# Altium PCB MIXR Input and Processing.PcbDoc (part 1 of 3) (continued)
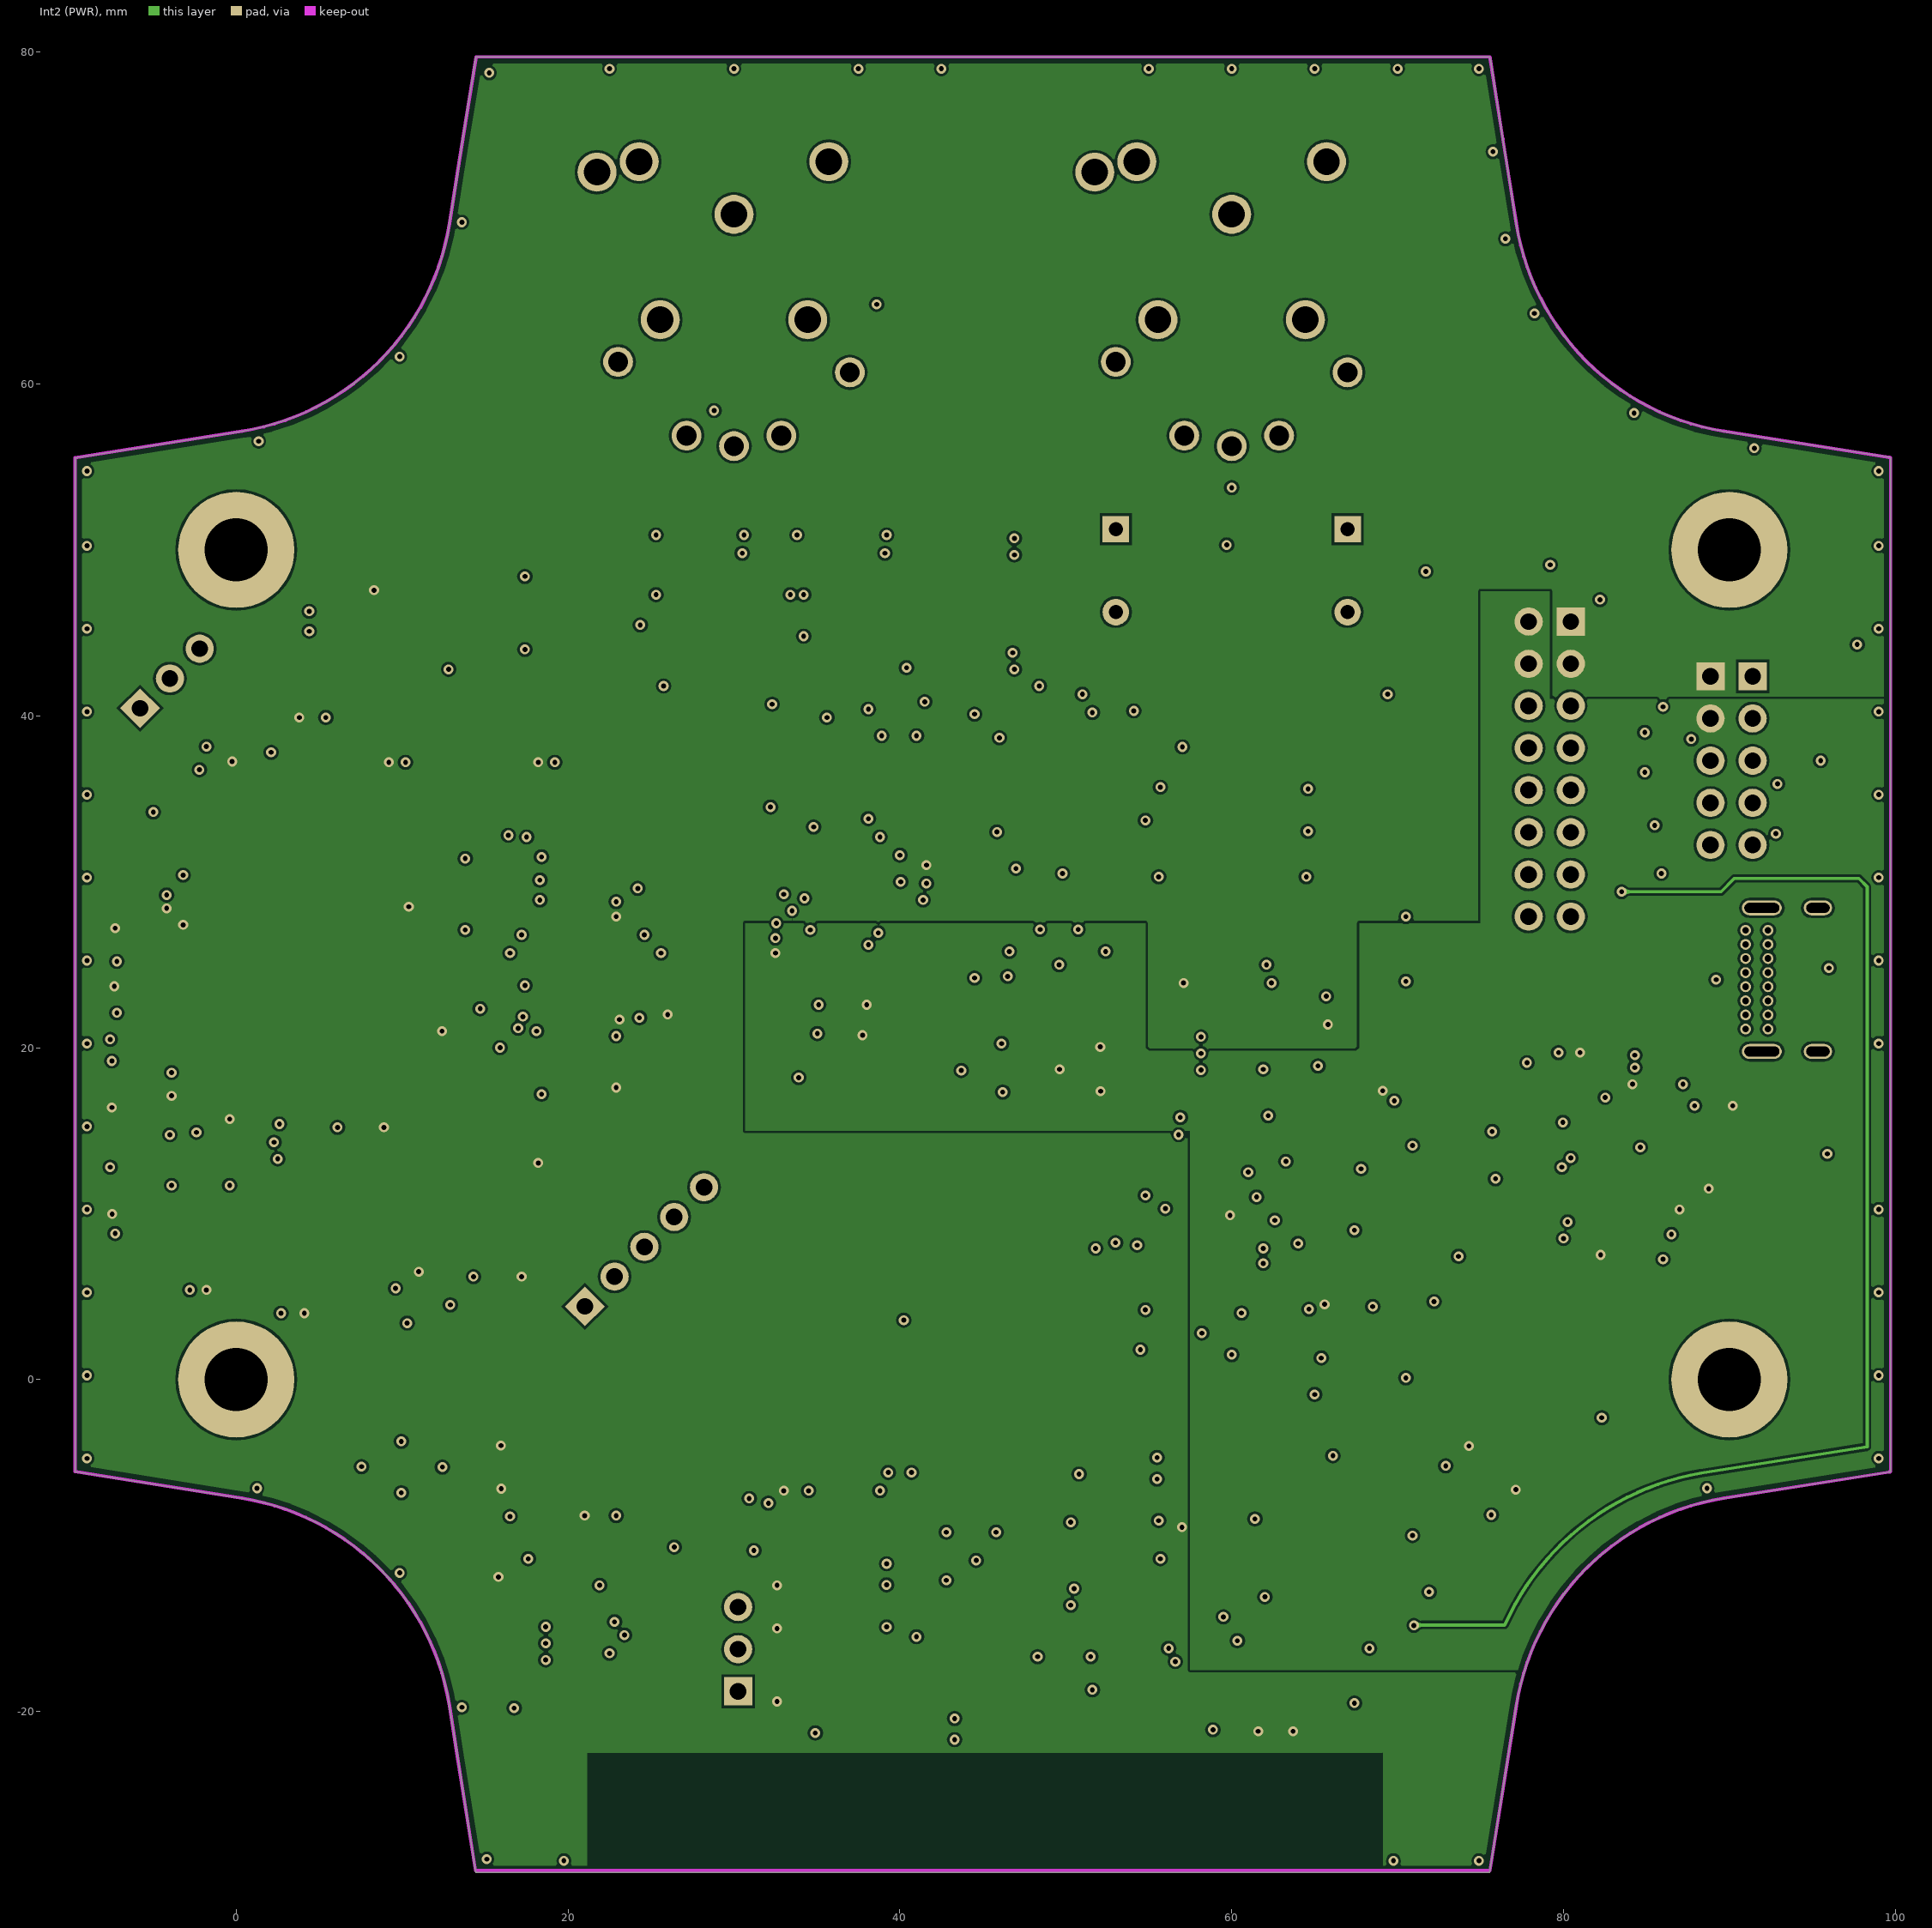
[diagram p3: Int2 (PWR)]
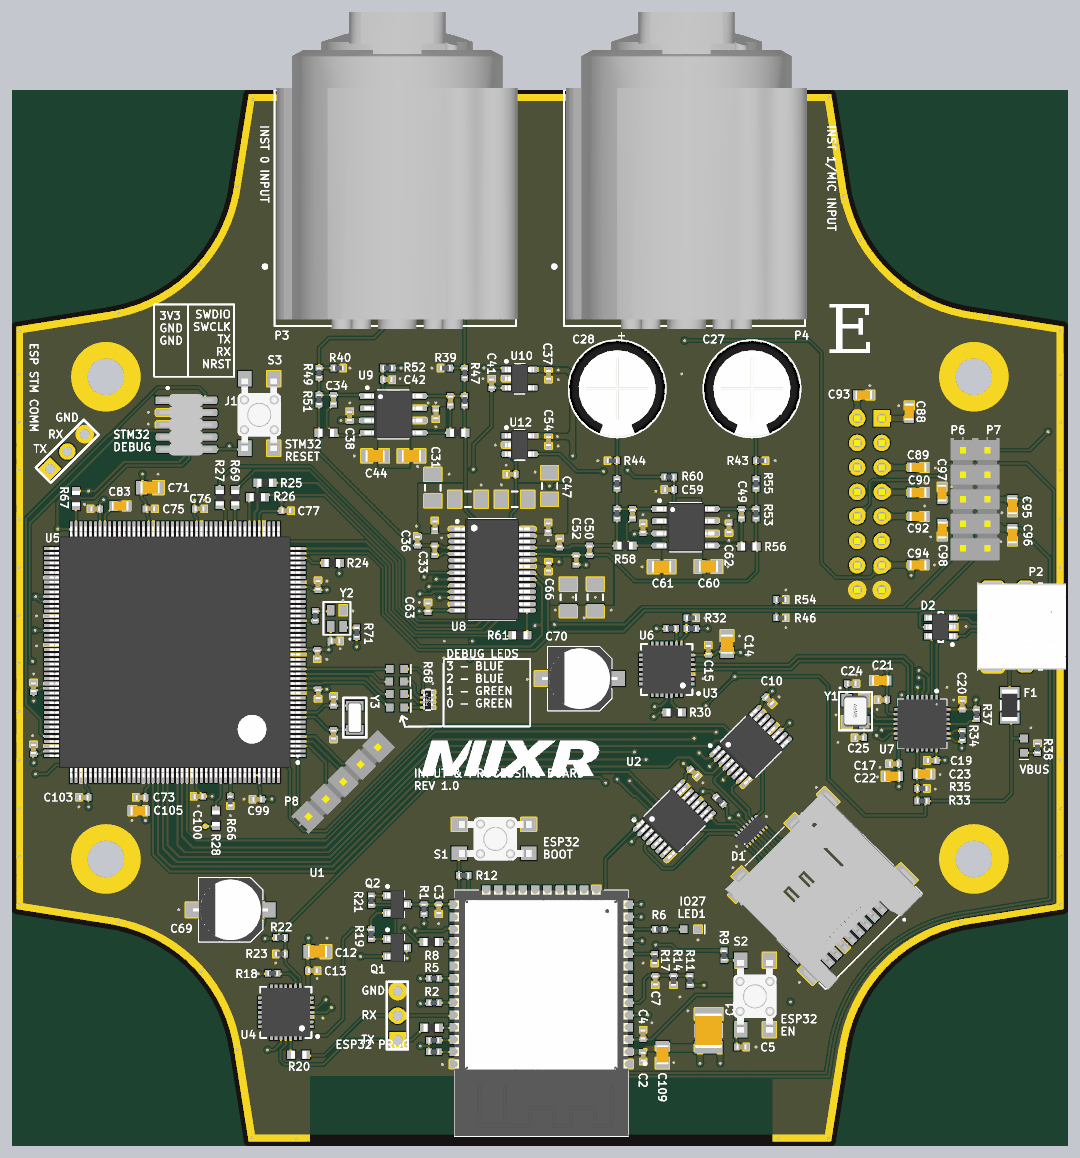
[diagram p6: 3D render of the assembled board from above, using the file's embedded part models]
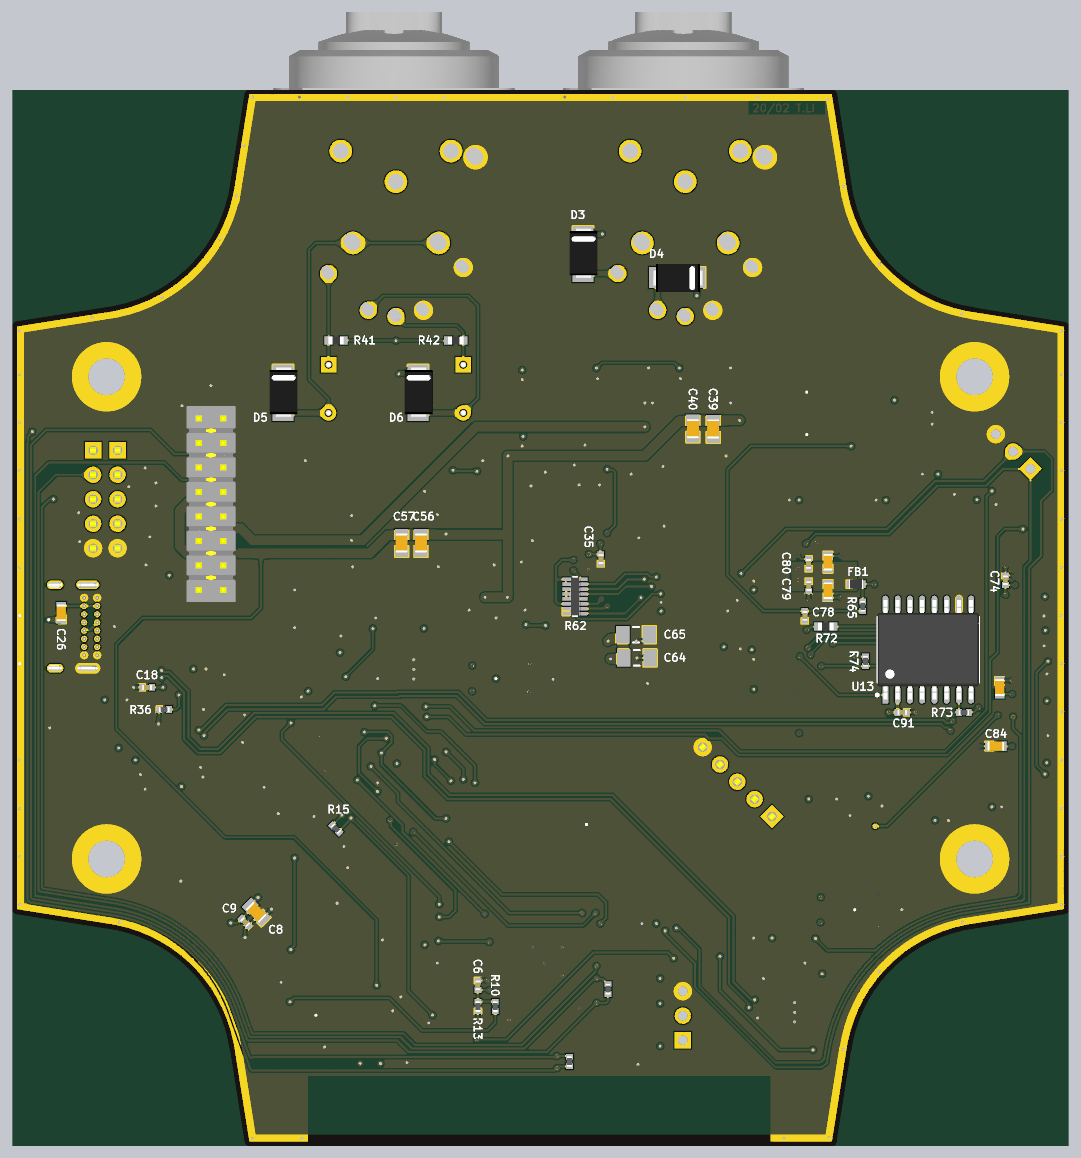
[diagram p7: 3D render of the assembled board from below, using the file's embedded part models]

## Layer stack, top to bottom
Top Solder: solder mask 0.0254, SM-001, Dk 4
Top Layer: signal copper 0.035
Dielectric 1: prepreg 0.26, PP-017, Dk 4.3
Int1 (GND): signal copper 0.035
Dielectric 3: core 0.8, Core-039, Dk 4.8
Int2 (PWR): signal copper 0.035
Dielectric 5: prepreg 0.26, PP-017, Dk 4.3
Bottom Layer: signal copper 0.035
Bottom Solder: solder mask 0.0254, SM-001, Dk 4

## Board outline
333 vertices, not listed, extent -9.713,-29.713 99.713,79.713

## Design rules (kind name [scope] priority, off if disabled: settings)
BoardOutlineClearance [All] p1: gap=0.406 ignorepadtopadclearanceinfootprint=FALSE
Clearance [All] p1: gap=0.152 ignorepadtopadclearanceinfootprint=TRUE except(0: Arc-Hole Track-Hole SMDPad-Hole THPad-Hole Via-Hole Fill-Hole Poly-Hole Region-Hole Text-Hole)
ComponentClearance ComponentClearance_ControllerBoard [InComponent('P1') vs Identifier = 'Controller_Board'] p1: gap=0 collisioncheckmode=3 verticalgap=0 showdistances=FALSE
ComponentClearance ComponentClearance_Standoffs [Identifier = 'Standoff' vs Identifier = 'Controller_Board'] p2: gap=0 collisioncheckmode=3 verticalgap=0 showdistances=FALSE
ComponentClearance [All] p3: gap=0.254 collisioncheckmode=3 verticalgap=0.254 showdistances=FALSE
DiffPairsRouting USB_90R [All] p1: maxlimit=0.4 minlimit=0.25 mostfreqgap=0.3 toplayer_minwidth=0.2 toplayer_maxwidth=0.35 toplayer_prefwidth=0.25 midlayer1_minwidth=0.2 midlayer1_maxwidth=0.35 midlayer1_prefwidth=0.25 midlayer2_minwidth=0.2 midlayer2_maxwidth=0.35 midlayer2_prefwidth=0.25 bottomlayer_minwidth=0.2 bottomlayer_maxwidth=0.35 bottomlayer_prefwidth=0.25 maxuncoupledlength=12.7
Height [All] p1: minheight=0 maxheight=30 prefheight=12.7
HoleSize [All] p1: absolutevalues=TRUE maxlimit=6.3 minlimit=0.3 maxpercent=80.000 minpercent=20.000
MinimumAnnularRing [All] p1: minimumring=0.15
MinimumSolderMaskSliver [All] p1: minsoldermaskwidth=0.3
PlaneConnect 0402 [(ObjectKind = 'Component') And ((Footprint = 'CAP 0402') or (Footprint  = 'RES 0402'))] p1: pad.planeconnectstyle=Relief pad.reliefexpansion=0.5 pad.reliefentries=4 pad.reliefconductorwidth=0.2 pad.reliefairgap=0.2 via.planeconnectstyle=Direct via.reliefexpansion=0.508 via.reliefentries=4 via.reliefconductorwidth=0.254 via.reliefairgap=0.254
PlaneConnect [All] p2: planeconnectstyle=Relief reliefexpansion=0.508 reliefentries=4 reliefconductorwidth=0.254 reliefairgap=0.254
PolygonConnect [All] p1: connectstyle=Direct reliefconductorwidth=0.254 reliefentries=4 polygonreliefangle="90 Angle" airgapwidth=0.254
PolygonConnect PolygonConnect_0402_CAP [HasFootprint('CAP 0402')] p2: connectstyle=Relief reliefconductorwidth=0.2 reliefentries=4 polygonreliefangle="90 Angle" airgapwidth=0.2
PolygonConnect PolygonConnect_0402_RES [HasFootprint('RES 0402')] p3: connectstyle=Relief reliefconductorwidth=0.2 reliefentries=4 polygonreliefangle="90 Angle" airgapwidth=0.2
RoutingVias [All] p1: holewidth=0.3 width=0.6 viastyle="Through Hole" minholewidth=0.3 minwidth=0.6 maxholewidth=0.711 maxwidth=1.27
SilkToSolderMaskClearance [IsPad] p1: minsilkscreentomaskgap=0.178 clearancetoexposedcopper=TRUE
SolderMaskExpansion [All] p1: expansion=0.102 istentingtop=FALSE
Width [All] p1: maxlimit=2.54 minlimit=0.154 preferedwidth=0.2
23 further rules are at their usual default settings.

## Classes and differential pairs
component class "MIXR Processing - QSPI NOR Flash": C91 R73 R74 U13
component class "MIXR Processing - USB Hub": C16 C17 C18 C19 C20 C21 C22 C23 C24 C25 C26 D2 F1 LED2 P2 R33 R34 R35 R36 R37 R38 U7 Y1
component class "MIXR Processing - STM32 USB-UART Converter": C14 C15 R29 R30 R31 R32 U6
component class "MIXR Processing - STM32 DSP Misc": C71 C72 C73 C74 C75 C76 C77 C78 C79 C80 C81 C82 C83 C84 C85 C86 C87 C99 C100 C101 C102 C103 C104 C105 C106 C107 C108 FB1 J1 R65 R66 R70 R71 S3 Y2 Y3
component class "MIXR Processing - STM32 DSP Microcontroller": LED4 LED5 LED6 LED7 P8 R24 R25 R26 R27 R28 R67 R68 R69 R72 U5
component class "MIXR Processing - SD Card": C8 C9 C10 C11 D1 P1 R15 R16 R17 U2 U3
component class "MIXR Processing - ESP32": C1 C2 C3 C4 C5 C6 C7 C109 LED1 P9 P10 R1 R2 R3 R4 R5 R6 R7 R8 R9 R10 R11 R12 R13 R14 R63 R64 S1 S2 U1
component class "MIXR Processing - ESP32 Peripherals": C12 C13 Q1 Q2 R18 R19 R20 R21 R22 R23 U4
component class "MIXR Input - Instrument Inputs": C27 C28 D3 D4 D5 D6 P3 P4 R39 R40 R41 R42 R43 R44
component class "MIXR Input - Instrument 1 Filtering & ADC": C46 C47 C48 C49 C50 C51 C52 C53 C54 C55 C56 C57 C58 C59 C60 C61 C62 R53 R54 R55 R56 R57 R58 R59 R60 U11 U12
component class "MIXR Input - Instrument 0 Filtering & ADC": C29 C30 C31 C32 C33 C34 C35 C36 C37 C38 C39 C40 C41 C42 C43 C44 C45 R45 R46 R47 R48 R49 R50 R51 R52 U9 U10
component class "MIXR Input - Board to Board Connectors": C69 C70 C88 C89 C90 C92 C93 C94 C95 C96 C97 C98 P5 P6 P7
component class "MIXR Input - ADC Power & Communication": C63 C64 C65 C66 C67 C68 R61 R62 U8
differential pair USB_STM32_USB_FS_D: +USB_STM32_USB_FS_D_P -USB_STM32_USB_FS_D_N
differential pair USB_STM32_D: +USB_STM32_D_P -USB_STM32_D_N
differential pair USB_ESP32_D: +USB_ESP32_D_P -USB_ESP32_D_N

## Components (designator, comment, footprint, x,y, rotation, side; value= is the part's Value field where it differs from the comment)
C1 "CAP CER 22UF 16V ±20% X5R 1210" "CAP, 1210" 62.5,-17.8 r90 top
C2 "CAP CER 0.1UF 16V X7R 0402" "CAP 0402" 55.7,-20 r270 top
C3 "CAP CER 0.1UF 16V X7R 0402" "CAP 0402" 34.5,-4.7 r270 top
C4 "CAP CER 0.1UF 16V X7R 0402" "CAP 0402" 55.7,-18.7 r90 top
C5 "CAP CER 0.1UF 16V X7R 0402" "CAP 0402" 65.403,-19.5 r0 top
C6 "CAP CER 0.1UF 16V X7R 0402" "CAP 0402" 51.5,-13.6 r90 bottom
C7 "CAP CER 0.1UF 16V X7R 0402" "CAP 0402" 56.95,-12.1 r270 top
C8 "CAP CER 10uF 25V 10% X5R 0805" "CAP, 0805" 74.481,-5.519 r225 bottom
C9 "CAP CER 0.1UF 16V X7R 0402" "CAP 0402" 76,-6.2 r225 bottom
C10 "CAP CER 0.1UF 16V X7R 0402" "CAP 0402" 68.4,16.8 r315 top
C11 "CAP CER 0.1UF 16V X7R 0402" "CAP 0402" 60.6,9.3 r315 top
C12 "CAP CER 4.7UF 50V 10% X5R 0805" "CAP, 0805" 21.925,-9.6 r0 top value=4.7uF
C13 "CAP CER 0.1UF 16V X7R 0402" "CAP 0402" 20.95,-11.6 r0 top
C14 "CAP CER 4.7UF 50V 10% X5R 0805" "CAP, 0805" 64.4,22.275 r90 top value=4.7uF
C15 "CAP CER 0.1UF 16V X7R 0402" "CAP 0402" 62.468,21.179 r90 top
C16 "CAP CER 0.1UF 16V X7R 0402" "CAP 0402" 81,16.5 r180 top
C17 "CAP CER 0.1UF 16V X7R 0402" "CAP 0402" 82.2,9.874 r180 top
C18 "CAP CER 0.1UF 16V X7R 0402" "CAP 0402" 85.3,17.8 r0 bottom
C19 "CAP CER 0.1UF 16V X7R 0402" "CAP 0402" 86.13,10.21 r180 top
C20 "CAP CER 0.1UF 16V X7R 0402" "CAP 0402" 88.8,15.51 r90 top
C21 "CAP CER 1UF 50V 10% X7R 0603" "CAP, 0603" 80.325,18.5 r180 top
C22 "CAP CER 1UF 50V 10% X7R 0603" "CAP, 0603" 81.525,8.574 r180 top
C23 "CAP CER 1UF 50V 10% X7R 0603" "CAP, 0603" 84.805,8.81 r0 top
C24 "CAP CER 20PF 50V C0G/NPO 0402" "CAP 0402" 76.82,18.18 r0 top
C25 "CAP CER 20PF 50V C0G/NPO 0402" "CAP 0402" 78.62,12.58 r180 top
C26 "CAP CER 10nF 50V 5% X7R 0603" "CAP, 0603" 94.7,25.525 r270 bottom
C27 "CAP ALUM 100UF 20% 100V RADIAL" "CAP ALUM RADIAL 10x20" 66.985,51.25 r270 top
C28 "CAP ALUM 100UF 20% 100V RADIAL" "CAP ALUM RADIAL 10x20" 53.015,51.25 r270 top
C29 "CAP CER 0.1UF 16V X7R 0402" "CAP 0402" 34.1,35.1 r270 top
C30 "CAP CER 10uF 50V 20% X5R 1206" "CAP, 1206" 37.525,37.3 r0 top
C31 "CAP CER 22UF 6.3V ±10% X7R 1206" "CAP, 1206" 33.9,38.5 r90 top
C32 "CAP CER 1nF 50V C0G 0402" "CAP 0402" 35.7,48.025 r270 top
C33 "CAP CER 2700PF 50V X7R 0402" "CAP 0402" 34.1,31.5 r90 top
C34 "CAP CER 1nF 50V C0G 0402" "CAP 0402" 23.6,48.125 r270 top
C35 "CAP CER 100PF 50V C0G/NP0 0402" "CAP 0402" 38.75,31.6 r270 bottom
C36 "CAP CER 100PF 50V C0G/NP0 0402" "CAP 0402" 32.3,32.5 r90 top
C37 "CAP CER 0.1UF 16V X7R 0402" "CAP 0402" 45.9,49.7 r90 top
C38 "CAP CER 0.1UF 16V X7R 0402" "CAP 0402" 25.282,45.425 r90 top
C39 "CAP CER 10uF 25V 10% X5R 0805" "CAP, 0805" 27.1,44.59 r270 bottom
C40 "CAP CER 10uF 25V 10% X5R 0805" "CAP, 0805" 29.2,44.615 r270 bottom
C41 "CAP CER 0.1UF 16V X7R 0402" "CAP 0402" 40,48.8 r90 top
C42 "CAP CER 0.1UF 16V X7R 0402" "CAP 0402" 28.7,49.7 r0 top
C43 "CAP CER 10uF 25V 10% X5R 0805" "CAP, 0805" 31.675,41.8 r180 top
C44 "CAP CER 10uF 25V 10% X5R 0805" "CAP, 0805" 27.918,41.8 r0 top
C45 "CAP CER 0.1UF 16V X7R 0402" "CAP 0402" 34.2,46.6 r270 top
C46 "CAP CER 0.1UF 16V X7R 0402" "CAP 0402" 45.85,34.9 r270 top
C47 "CAP CER 10uF 50V 20% X5R 1206" "CAP, 1206" 46,38.675 r90 top
C48 "CAP CER 22UF 6.3V ±10% X7R 1206" "CAP, 1206" 42.375,37.3 r180 top
C49 "CAP CER 1nF 50V C0G 0402" "CAP 0402" 65.9,36.3 r270 top
C50 "CAP CER 2700PF 50V X7R 0402" "CAP 0402" 50.15,31.5 r90 top
C51 "CAP CER 1nF 50V C0G 0402" "CAP 0402" 54.6,36.3 r270 top
C52 "CAP CER 100PF 50V C0G/NP0 0402" "CAP 0402" 48.75,31.5 r270 top
C53 "CAP CER 100PF 50V C0G/NP0 0402" "CAP 0402" 47.05,32.3 r90 top
C54 "CAP CER 0.1UF 16V X7R 0402" "CAP 0402" 45.9,42.83 r90 top
C55 "CAP CER 0.1UF 16V X7R 0402" "CAP 0402" 55.7,33.8 r90 top
C56 "CAP CER 10uF 25V 10% X5R 0805" "CAP, 0805" 57.4,32.76 r270 bottom
C57 "CAP CER 10uF 25V 10% X5R 0805" "CAP, 0805" 59.4,32.76 r270 bottom
C58 "CAP CER 0.1UF 16V X7R 0402" "CAP 0402" 42.5,39.9 r180 top
C59 "CAP CER 0.1UF 16V X7R 0402" "CAP 0402" 58.9,38.3 r180 top
C60 "CAP CER 10uF 25V 10% X5R 0805" "CAP, 0805" 62.475,30.325 r180 top
C61 "CAP CER 10uF 25V 10% X5R 0805" "CAP, 0805" 57.625,30.3 r0 top
C62 "CAP CER 0.1UF 16V X7R 0402" "CAP 0402" 64.6,34.8 r270 top
C63 "CAP CER 0.1UF 16V X7R 0402" "CAP 0402" 33.4,25.6 r90 top
C64 "CAP CER 10uF 50V 20% X5R 1206" "CAP, 1206" 35.025,20.85 r180 bottom
C65 "CAP CER 22UF 6.3V ±10% X7R 1206" "CAP, 1206" 35.1,23.25 r180 bottom
C66 "CAP CER 0.1UF 16V X7R 0402" "CAP 0402" 45.9,29.8 r90 top
C67 "CAP CER 10uF 50V 20% X5R 1206" "CAP, 1206" 47.95,27.125 r270 top
C68 "CAP CER 22UF 6.3V ±10% X7R 1206" "CAP, 1206" 50.75,27.125 r270 top
C69 "47UF" "CAP ALUM 6.3MM RADIAL SMD" 12.925,-5.275 r180 top
C70 "47UF" "CAP ALUM 6.3MM RADIAL SMD" 49.125,18.7 r180 top
C71 "CAP CER 4.7UF 50V 10% X5R 0805" "CAP, 0805" 4.575,38.5 r0 top value=4.7uF
C72 "CAP CER 0.1UF 16V X7R 0402" "CAP 0402" 21.9,21.7 r270 top
C73 "CAP CER 0.1UF 16V X7R 0402" "CAP 0402" 4.1,6.4 r180 top
C74 "CAP CER 0.1UF 16V X7R 0402" "CAP 0402" -3.2,28.4 r90 bottom
C75 "CAP CER 0.1UF 16V X7R 0402" "CAP 0402" 4.1,36.3 r0 top
C76 "CAP CER 0.1UF 16V X7R 0402" "CAP 0402" 9.2,36.3 r0 top
C77 "CAP CER 0.1UF 16V X7R 0402" "CAP 0402" 18.2,36.1 r0 top
C78 "CAP CER 0.1UF 16V X7R 0402" "CAP 0402" 17.6,25.7 r270 bottom
C79 "CAP CER 1UF 50V 10% X7R 0603" "CAP, 0603" 15.2,30.775 r90 bottom
C80 "CAP CER 0.1UF 16V X7R 0402" "CAP 0402" 17.2,30.1 r90 bottom
C81 "CAP CER 1UF 50V 10% X7R 0603" "CAP, 0603" 15.2,27.825 r270 bottom
C82 "CAP CER 0.1UF 16V X7R 0402" "CAP 0402" 17.2,28.8 r270 bottom
C83 "CAP CER 2.2UF 25V 10% X5R 0603" "CAP, 0603" 1.475,36.6 r0 top
C84 "CAP CER 2.2UF 25V 10% X5R 0603" "CAP, 0603" -2.2,11.7 r0 bottom
C85 "CAP CER 0.1UF 16V X7R 0402" "CAP 0402" 22,17.6 r270 top
C86 "CAP CER 4.3PF 50V C0G/NPO 0402" "CAP 0402" 23.6,15.9 r90 top
C87 "CAP CER 4.3PF 50V C0G/NPO 0402" "CAP 0402" 23.6,13.4 r270 top
C88 "CAP CER 10nF 50V 5% X7R 0603" "CAP, 0603" 83.3,46.355 r90 top
C89 "CAP CER 10nF 50V 5% X7R 0603" "CAP, 0603" 84.205,40.6 r0 top
C90 "CAP CER 10nF 50V 5% X7R 0603" "CAP, 0603" 84.205,38 r0 top
C91 "CAP CER 0.1UF 16V X7R 0402" "CAP 0402" 8,15.2 r180 bottom
C92 "CAP CER 10nF 50V 5% X7R 0603" "CAP, 0603" 84.205,35.52 r0 top
C93 "CAP CER 10nF 50V 5% X7R 0603" "CAP, 0603" 78.575,48.1 r0 top
C94 "CAP CER 10nF 50V 5% X7R 0603" "CAP, 0603" 84.205,30.5 r0 top
C95 "CAP CER 10nF 50V 5% X7R 0603" "CAP, 0603" 94,36.625 r270 top
C96 "CAP CER 10nF 50V 5% X7R 0603" "CAP, 0603" 94,33.6 r270 top
C97 "CAP CER 10nF 50V 5% X7R 0603" "CAP, 0603" 86.7,37.925 r90 top
C98 "CAP CER 10nF 50V 5% X7R 0603" "CAP, 0603" 86.72,34.105 r270 top
C99 "CAP CER 0.1UF 16V X7R 0402" "CAP 0402" 16.2,6.2 r180 top
C100 "CAP CER 0.1UF 16V X7R 0402" "CAP 0402" 10.1,6.5 r180 top
C101 "CAP CER 0.1UF 16V X7R 0402" "CAP 0402" 22,27.9 r90 top
C102 "CAP CER 0.1UF 16V X7R 0402" "CAP 0402" -0.6,36.3 r180 top
C103 "CAP CER 0.1UF 16V X7R 0402" "CAP 0402" -1.8,6.4 r180 top
C104 "CAP CER 0.1UF 16V X7R 0402" "CAP 0402" -7.5,10.9 r90 top
C105 "CAP CER 1UF 50V 10% X7R 0603" "CAP, 0603" 3.425,5 r180 top
C106 "CAP CER 1UF 50V 10% X7R 0603" "CAP, 0603" -2.6,17.775 r90 bottom
C107 "CAP CER 0.1UF 16V X7R 0402" "CAP 0402" -7.5,17.3 r90 top
C108 "CAP CER 0.1UF 16V X7R 0402" "CAP 0402" 23.3,22.6 r0 top
C109 "CAP CER 10uF 25V 10% X5R 0805" "CAP, 0805" 57.7,-20.3 r270 top
D1 "FILTER RLC 40 OHM/12PF/20NH SMD" QFN0P135X330X55_HS-17M 66.916,2.87 r135 top
D2 "DIODE TVS 5.25V 17V SOT23-6" SOT23-6 86.541,24.055 r180 top
D3 "DIODE TVS 12VWM 19.6VC DO-214AA (SMB)" "DO-214AA Diode - BI" 40.6,60.7 r90 bottom
D4 "DIODE TVS 12VWM 19.6VC DO-214AA (SMB)" "DO-214AA Diode - BI" 32.858,60.3 r180 bottom
D5 "DIODE TVS 12VWM 19.6VC DO-214AA (SMB)" "DO-214AA Diode - BI" 71.7,46.3 r90 bottom
D6 "DIODE TVS 12VWM 19.6VC DO-214AA (SMB)" "DO-214AA Diode - BI" 57.7,46.3 r90 bottom
F1 "375 mA" "FUSE LITTLEFUSE 0466 1206" 93.7,15.93 r270 top
FB1 "FB 600 OHM 1LN 0603" "FB 0603" 12.3,28.5 r0 bottom
J1 "CONN 10POS HEADR MALE 0.05\"" "CONN, 10POS 0.05\" Debug Header" 6.4,47.57 r270 top
LED1 "LED BLUE CLEAR 2.8V 0603" LED_0603 59.95,-7.3 r0 top
LED2 "LED GREEN CLEAR 2V 0603" LED_0603 95.19,12.45 r270 top
LED4 "LED GREEN CLEAR 2V 0603" LED_0603 29.489,15.69 r0 top
LED5 "LED GREEN CLEAR 2V 0603" LED_0603 29.489,17.09 r0 top
LED6 "LED BLUE CLEAR 2.8V 0603" LED_0603 29.439,18.4 r0 top
LED7 "LED BLUE CLEAR 2.8V 0603" LED_0603 29.489,19.69 r0 top
P1 "CONN MICRO-SD ULTRA-LOW 8CKT" "CONN MICRO-SD HOLDER MOLEX 503182-1852" 73.8,-2.7 r225 top
P2 "CONN RECPT USB2.0 TYPE-C 16POS" "CONN RECPT USB2.0 TYPE C 16-POS" 95,24.1 r90 top
P3 "CONN XLR-TRS COMBO 3 POLE" "CONN XLR-TRS COMBO 3 POLE" 30,79.75 r0 top locked
P4 "CONN XLR-TRS COMBO 3 POLE" "CONN XLR-TRS COMBO 3 POLE" 60,79.75 r0 top locked
P5 "CONN 16POS HEADER 0.1\" 0.73\" MALE" "CONN, 16POS 0.100\" 0.73\" MALE" 80.44,45.68 r270 bottom locked
P6 "0.1\"" "CONN, 5POS 1.23\" 0.100\" MALE Header" 88.86,42.38 r270 top locked
P7 "0.1\"" "CONN, 5POS 1.23\" 0.100\" MALE Header" 91.4,42.38 r270 top locked
P8 "0.1\"" "CONN, 5POS 1.23\" 0.100\" MALE Header" 21.008,4.408 r45 top
P9 "CONN 3POS HEADR MALE 0.1\"" "CONN, 3POS 0.100\" Header, 1 ROW" 30.25,-18.79 r90 top
P10 "CONN 3POS HEADR MALE 0.1\"" "CONN, 3POS 0.100\" Header, 1 ROW" -5.796,40.454 r45 top
Q1 "SS8050-G" "MOSFET N-CH 30V 6.2A 0.9W SOT-23" 30.2,-9.2 r0 top
Q2 "SS8050-G" "MOSFET N-CH 30V 6.2A 0.9W SOT-23" 30.2,-4.7 r0 top
R1 "RES 10K OHM 1% 1/16W 0402" "RES 0402" 32.975,-4.7 r270 top
R2 "RES 4.7K OHM 1% 1/10W 0402" "RES 0402" 33.5,-14.9 r0 top
R3 "RES 4.7K OHM 1% 1/10W 0402" "RES 0402" 33.5,-18.8 r0 top
R4 "RES 4.7K OHM 1% 1/10W 0402" "RES 0402" 33.5,-20 r0 top
R5 "RES 4.7K OHM 1% 1/10W 0402" "RES 0402" 33.5,-12.37 r0 top